# KiCad board Eclipse60.kicad_pcb (continued)
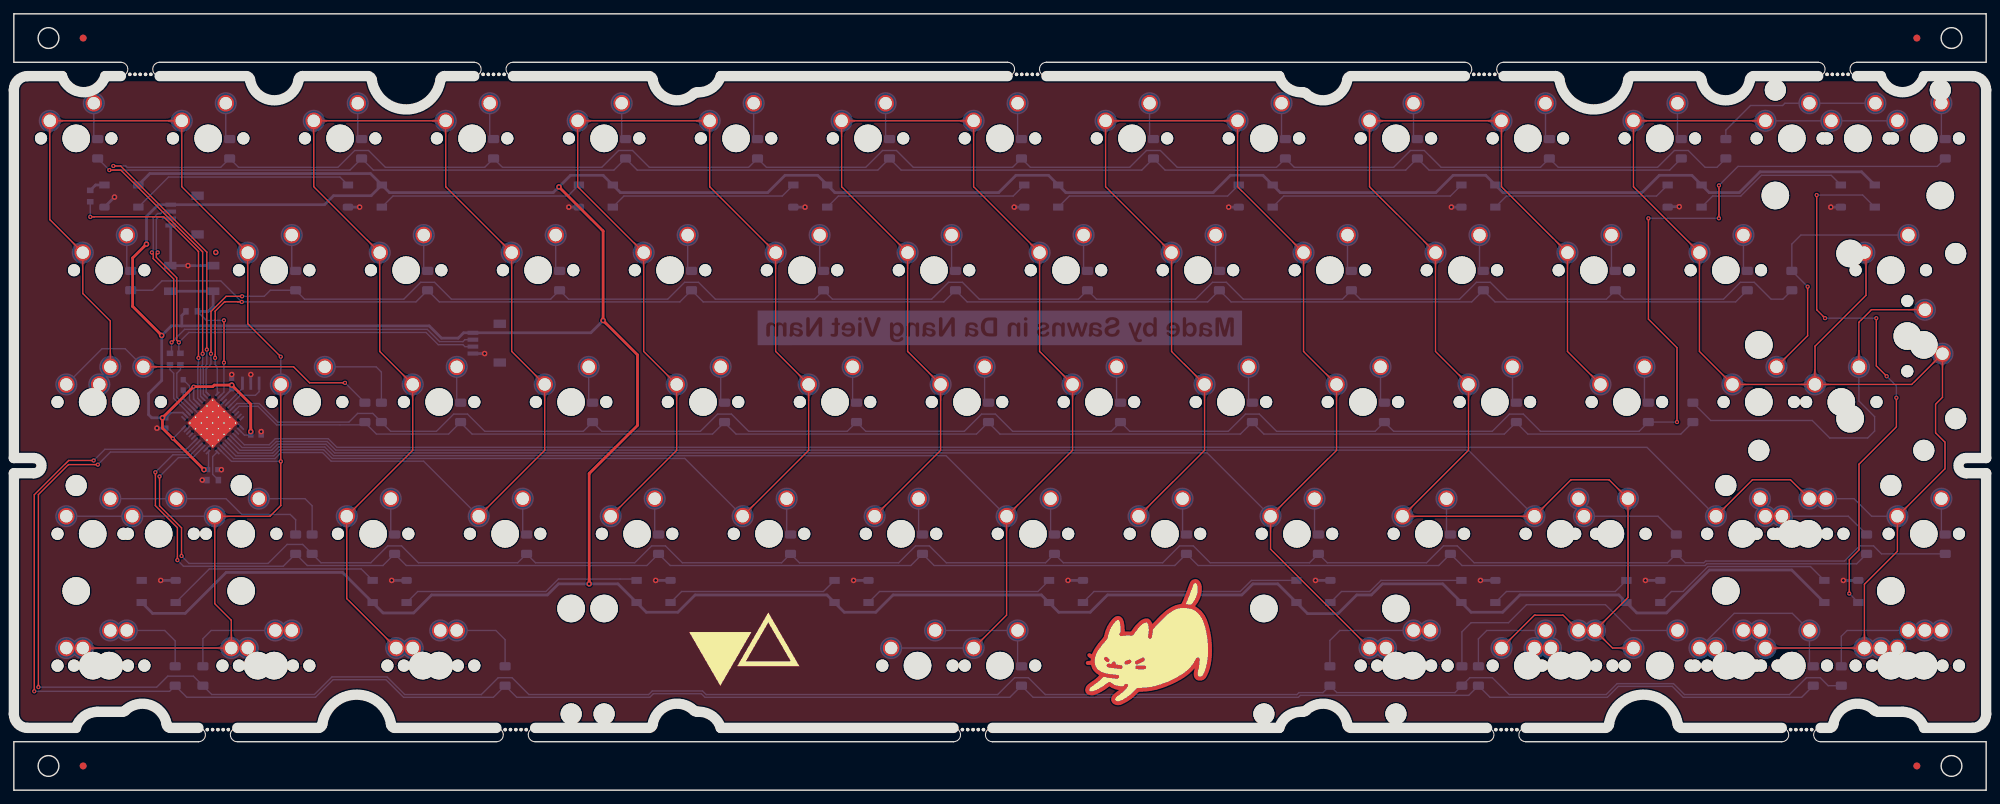
[diagram p0: board, top side]
## Nets
+5V: C2.2 C3.2 C4.2 C5.2 J1.1 J2.1 R4.1 RGB1.1 RGB2.1 RGB3.1 RGB4.1 RGB5.1 RGB6.1 RGB7.1 RGB8.1 RGB9.1 RGB10.1 RGB11.1 RGB12.1 RGB13.1 RGB14.1 RGB15.1 RGB16.1 RGB17.1 RGB18.1 U1.2 U1.7 U1.14 U1.24 U1.34 U1.44
GND: C1.2 C2.1 C3.1 C4.1 C5.1 J1.4 J2.4 R1.1 RGB1.3 RGB2.3 RGB3.3 RGB4.3 RGB5.3 RGB6.3 RGB7.3 RGB8.3 RGB9.3 RGB10.3 RGB11.3 RGB12.3 RGB13.3 RGB14.3 RGB15.3 RGB16.3 RGB17.3 RGB18.3 SW1.1 U1.5 U1.15 U1.23 U1.35 U1.43 U1.45 Y1.2
/M+: R2.1 U1.4
/M-: R3.2 U1.3
C0: MX1.1 MX2.1 MX17.1 MX18.1 MX31.1 MX33.1 MX34.1 MX49.1 MX50.1 MX65.2 MX66.1 MX67.1 MX80.1 MX82.1 U1.32
C1: MX3.1 MX4.1 MX19.1 MX20.1 MX35.1 MX36.1 MX51.1 MX52.1 MX68.1 MX81.1 U1.31
C2: MX5.1 MX6.1 MX21.1 MX22.1 MX37.1 MX38.1 MX53.1 MX54.1 U1.30
C3: MX7.1 MX8.1 MX23.1 MX24.1 MX39.1 MX40.1 MX55.1 MX56.1 MX70.1 MX79.1 U1.29
C4: MX9.1 MX10.1 MX16.1 MX25.1 MX26.1 MX41.1 MX42.1 MX57.1 MX58.1 MX64.1 U1.28
C5: MX11.1 MX12.1 MX27.1 MX28.1 MX32.1 MX43.1 MX44.1 MX47.2 MX48.1 MX59.1 MX60.1 MX61.2 MX69.2 U1.27
C6: MX13.1 MX14.1 MX15.1 MX29.1 MX30.1 MX45.1 MX46.1 MX62.1 MX63.1 MX71.2 MX72.1 MX73.1 MX74.1 MX75.2 MX76.2 MX77.2 MX78.1 MX83.1 MX84.2 U1.26
D+: J1.3 J2.3 R2.2
D-: J1.2 J2.2 R3.1
R0: D1.1 D3.1 D5.1 D7.1 D9.1 D11.1 D13.1 U1.9
R1: D2.1 D4.1 D6.1 D8.1 D10.1 D12.1 D14.1 U1.10
R2: D17.1 D19.1 D21.1 D23.1 D25.1 D27.1 D29.1 U1.12
R3: D18.1 D20.1 D22.1 D24.1 D26.1 D28.1 D30.1 U1.11
R4: D33.1 D35.1 D37.1 D39.1 D41.1 D43.1 D45.1 U1.19
R5: D15.1 D34.1 D36.1 D38.1 D40.1 D42.1 D44.1 U1.18
R6: D49.1 D51.1 D53.1 D55.1 D57.1 D59.1 D62.1 U1.37
R7: D50.1 D52.1 D54.1 D56.1 D58.1 D60.1 D63.1 U1.36
R8: D65.1 D67.1 D68.1 D69.1 D71.1 U1.39
R9: D16.1 D66.1 D70.1 D72.1 U1.38
RGB: R5.2 RGB1.4
Net-(C1-Pad1): C1.1 U1.6
Net-(D1-Pad2): D1.2 MX1.2
Net-(D2-Pad2): D2.2 MX2.2
Net-(D3-Pad2): D3.2 MX3.2
Net-(D4-Pad2): D4.2 MX4.2
Net-(D5-Pad2): D5.2 MX5.2
Net-(D6-Pad2): D6.2 MX6.2
Net-(D7-Pad2): D7.2 MX7.2
Net-(D8-Pad2): D8.2 MX8.2
Net-(D9-Pad2): D9.2 MX9.2
Net-(D10-Pad2): D10.2 MX10.2
Net-(D11-Pad2): D11.2 MX11.2
Net-(D12-Pad2): D12.2 MX12.2
Net-(D13-Pad2): D13.2 MX13.2
Net-(D14-Pad2): D14.2 MX14.2 MX46.2
Net-(D15-Pad2): D15.2 MX15.2
Net-(D16-Pad2): D16.2 MX16.2 MX64.2
Net-(D17-Pad2): D17.2 MX17.2
Net-(D18-Pad2): D18.2 MX18.2
Net-(D19-Pad2): D19.2 MX19.2
Net-(D20-Pad2): D20.2 MX20.2
Net-(D21-Pad2): D21.2 MX21.2
Net-(D22-Pad2): D22.2 MX22.2
Net-(D23-Pad2): D23.2 MX23.2
Net-(D24-Pad2): D24.2 MX24.2
Net-(D25-Pad2): D25.2 MX25.2
Net-(D26-Pad2): D26.2 MX26.2
Net-(D27-Pad2): D27.2 MX27.2
Net-(D28-Pad2): D28.2 MX28.2
Net-(D29-Pad2): D29.2 MX29.2
Net-(D30-Pad2): D30.2 MX30.2 MX83.2
Net-(D33-Pad2): D33.2 MX33.2 MX65.1
Net-(D34-Pad2): D34.2 MX34.2
Net-(D35-Pad2): D35.2 MX35.2
Net-(D36-Pad2): D36.2 MX36.2
Net-(D37-Pad2): D37.2 MX37.2
Net-(D38-Pad2): D38.2 MX38.2
Net-(D39-Pad2): D39.2 MX39.2
Net-(D40-Pad2): D40.2 MX40.2
Net-(D41-Pad2): D41.2 MX41.2
Net-(D42-Pad2): D42.2 MX42.2
Net-(D43-Pad2): D43.2 MX43.2
Net-(D44-Pad2): D44.2 MX44.2
Net-(D45-Pad2): D45.2 MX45.2 MX84.1
Net-(D49-Pad2): D49.2 MX31.2 MX49.2
Net-(D50-Pad2): D50.2 MX50.2
Net-(D51-Pad2): D51.2 MX51.2
Net-(D52-Pad2): D52.2 MX52.2
Net-(D53-Pad2): D53.2 MX53.2
Net-(D54-Pad2): D54.2 MX54.2
Net-(D55-Pad2): D55.2 MX55.2
Net-(D56-Pad2): D56.2 MX56.2
Net-(D57-Pad2): D57.2 MX57.2
Net-(D58-Pad2): D58.2 MX58.2
Net-(D59-Pad2): D59.2 MX59.2
Net-(D60-Pad2): D60.2 MX47.1 MX60.2
Net-(D62-Pad2): D62.2 MX62.2 MX75.1 MX76.1
Net-(D63-Pad2): D63.2 MX63.2
Net-(D65-Pad2): D65.2 MX66.2 MX80.2
Net-(D66-Pad2): D66.2 MX67.2 MX82.2
Net-(D67-Pad2): D67.2 MX68.2 MX81.2
Net-(D68-Pad2): D68.2 MX32.2 MX61.1 MX69.1
Net-(D69-Pad2): D69.2 MX70.2 MX79.2
Net-(D70-Pad2): D70.2 MX48.2
Net-(D71-Pad2): D71.2 MX71.1 MX72.2 MX77.1
Net-(D72-Pad2): D72.2 MX73.2 MX74.2 MX78.2
Net-(R1-Pad2): R1.2 U1.33
Net-(R4-Pad2): R4.2 SW1.2 U1.13
Net-(R5-Pad1): R5.1 U1.8
Net-(RGB1-Pad2): RGB1.2 RGB2.4
Net-(RGB2-Pad2): RGB2.2 RGB3.4
Net-(RGB3-Pad2): RGB3.2 RGB4.4
Net-(RGB4-Pad2): RGB4.2 RGB5.4
Net-(RGB5-Pad2): RGB5.2 RGB6.4
Net-(RGB6-Pad2): RGB6.2 RGB7.4
Net-(RGB7-Pad2): RGB7.2 RGB8.4
Net-(RGB8-Pad2): RGB8.2 RGB9.4
Net-(RGB10-Pad2): RGB10.2
Net-(RGB10-Pad4): RGB10.4 RGB11.2
Net-(RGB11-Pad4): RGB11.4 RGB12.2
Net-(RGB12-Pad4): RGB12.4 RGB13.2
Net-(RGB13-Pad4): RGB13.4 RGB14.2
Net-(RGB14-Pad4): RGB14.4 RGB15.2
Net-(RGB15-Pad4): RGB15.4 RGB16.2
Net-(RGB16-Pad4): RGB16.4 RGB17.2
Net-(RGB17-Pad4): RGB17.4 RGB18.2
Net-(RGB18-Pad4): RGB9.2 RGB18.4
Net-(U1-Pad1): U1.1
Net-(U1-Pad16): U1.16 Y1.3
Net-(U1-Pad17): U1.17 Y1.1
Net-(U1-Pad20): U1.20
Net-(U1-Pad21): U1.21
Net-(U1-Pad22): U1.22
Net-(U1-Pad25): U1.25
Net-(U1-Pad40): U1.40
Net-(U1-Pad41): U1.41
Net-(U1-Pad42): U1.42

## Via types
v1: diameter 0.8, hole 0.4, Top to Bottom, 36 vias
v2: diameter 0.6, hole 0.3, Top to Bottom, 40 vias

## Routing (per net, layer and track width the routed paths; a pad name or vN(x,y) marks a point on that pad's centre or on a via; arc(x,y) is an arc through that point)
+5V: length 787
  Top w0.4: v1(83.05,29.82) 83.05,45.75 90.03,52.72 90.03,62.91 v1(85.06,67.87) 85.06,80.81 v1(78.68,87.19) ; v1(19.14,78.92) 17.14,76.92 17.14,69.92 v1(21.34,65.72) ; v1(34.2,51.82) 34.2,55.79 v1(31.45,58.54) 28.92,58.54 28.7,58.32 v2(25.95,58.32) v1(21.45,53.82) 21.45,52.32 v2(22.95,50.82) v1(27.45,46.32)
  Bottom w0.2: U1.24 33.28,51.32 C3.2 ; 24.57,52.48 24.57,52.44 v2(22.95,50.82) ; 28.11,48.94 28.11,46.23
  Bottom w0.25: C5.2 v1(31.45,58.54) ; 24.93,54.01 24.37,54.57 22.7,54.57 C2.2 ; 26.69,55.78 25.95,56.53 v2(25.95,58.32) ; U1.14 31.45,57.94
  Bottom w0.4: RGB1.1 19.62,89.12 51.47,89.12 RGB2.1 ; R4.1 24.24,68.6 24.24,67.1 ; 24.24,67.1 59.96,67.1 61.73,65.33 64.14,65.33 64.92,66.1 J1.1 83.29,66.1 v1(85.06,67.87) ; 24.24,67.1 22.73,67.1 v1(21.34,65.72) 21.34,59.21 19.45,57.32 19.45,54.27 19.9,53.82 v1(21.45,53.82) C2.2 ; RGB2.1 51.57,85.92 46.14,85.92 44.84,84.62 J2.1 20.84,84.62 19.14,82.92 v1(19.14,78.92) ; RGB2.1 54.22,86.37 77.86,86.37 v1(78.68,87.19) 80.36,88.87 85.06,88.87 RGB3.1 87.56,86.37 108.82,86.37 111.32,88.87 116.02,88.87 RGB4.1 118.52,86.37 142.16,86.37 144.66,88.87 149.35,88.87 RGB5.1 151.85,86.37 173.11,86.37 175.61,88.87 180.31,88.87 RGB6.1 182.81,86.37 205.26,86.37 207.76,88.87 212.46,88.87 RGB7.1 214.96,86.37 235.03,86.37 237.53,88.87 242.22,88.87 RGB8.1 244.72,86.37 249.07,86.37 252.07,89.37 266.72,89.37 RGB9.1 ; v1(34.2,51.82) C3.2 ; RGB18.1 256.64,31.82 244.75,31.82 238.55,25.62 234.27,25.62 RGB17.1 231.67,28.22 217.41,28.22 214.91,25.72 210.36,25.72 RGB16.1 206.26,29.82 197.55,29.82 195.95,28.22 193.84,28.22 191.14,25.52 186.74,25.52 RGB15.1 182.44,29.82 178.85,29.82 177.25,28.22 157.87,28.22 155.38,25.72 150.83,25.72 RGB14.1 148.33,28.22 126.92,28.22 124.42,25.72 119.87,25.72 RGB13.1 117.37,28.22 98.34,28.22 95.84,25.72 91.29,25.72 RGB12.1 87.19,29.82 v1(83.05,29.82) 78.61,29.82 77.01,28.22 60.31,28.22 57.71,25.62 53.29,25.62 RGB11.1 47.44,31.47 30.64,31.47 24.73,25.55 20.02,25.55 RGB10.1 ; C4.2 v1(27.45,46.32)
GND: length 76.3
  Bottom w0.2: U1.45 28.7,54.48 U1.15 ; U1.45 25.87,53.07 U1.43 ; U1.45 27.99,53.07 U1.5 ; U1.45 28.7,50.24 U1.35 ; U1.45 32.24,53.07 U1.23
  Bottom w0.25: 25.99,55.08 24.45,56.61 C1.2
  Bottom w0.3: C5.1 v1(31.45,60.07) ; Y1.2 v1(34.2,60.07)
  Bottom w0.4: RGB9.3 v1(262.28,84.27) ; RGB7.3 v1(207.51,84.27) ; RGB6.3 v1(175.36,84.27) ; RGB5.3 v1(144.4,84.27) ; RGB3.3 v1(80.11,84.27) ; SW1.1 v1(25.14,75.81) SW1.1 ; RGB2.3 v1(49.91,84.27) ; RGB18.3 v1(264.09,30.32) ; RGB17.3 v1(235.52,30.32) ; RGB16.3 v1(211.7,30.32) ; RGB15.3 v1(187.89,30.32) ; RGB14.3 v1(152.17,30.32) ; RGB13.3 v1(121.22,30.32) ; RGB12.3 v1(92.64,30.32) ; RGB10.3 v1(21.2,30.32) ; 238.71,84.33 v1(240.4,84.33) ; J1.4 v1(67.96,63.1) ; C4.1 v1(29.95,46.32) ; 27.88,44.82 v1(27.2,44.82) ; C3.1 v1(35.7,51.82) ; RGB1.3 v1(14.53,85.72) ; RGB4.3 v1(114.21,84.27) ; J2.4 22.64,75.62 ; C2.1 v1(20.65,52.32) ; RGB11.3 v1(54.54,30.32)
(no net):
  vias: v1(29.14,77.72)
/M+: length 7.8
  Bottom w0.2: 25.6,54.72 25.63,54.72 ; U1.4 25.53,54.79 23.52,56.8 23.52,60.25 24.04,60.78 R2.1
/M-: length 8.2
  Bottom w0.2: U1.3 25.21,54.47 23.07,56.61 23.07,60.25 22.54,60.78 R3.2 ; 25.28,54.4 25.28,54.37
C0: length 202.3
  Top w0.2: v2(38.53,62.65) 33.77,67.41 MX18.1 24.24,87.21 MX2.1 MX1.1 5.19,82.45 MX17.1 9.95,71.77 13.92,67.8 MX65.2 ; MX34.1 v2(38.53,47.52) 38.53,41.15 36.97,39.59 MX50.1 29,26.95 31.38,24.57 MX67.1 MX80.1
  Bottom w0.2: MX50.1 MX31.1 MX49.1 ; U1.32 31.42,47.52 v2(38.53,47.52) ; MX34.1 v2(38.53,62.65)
C1: length 217
  Top w0.2: MX68.1 48.05,27.68 MX51.1 57.58,49.11 MX35.1 52.82,63.4 52.82,77.69 43.29,87.21 MX3.1 MX4.1 62.34,87.21 MX20.1 71.87,63.4 MX36.1 76.63,49.11 MX52.1
  Bottom w0.2: MX52.1 59.15,47.54 45.81,47.54 44.56,48.79 38.57,48.79 37.69,47.92 31.73,47.92 U1.31
C2: length 232.9
  Top w0.2: MX54.1 114.73,49.11 MX38.1 109.97,63.4 MX22.1 100.44,87.21 MX6.1 MX5.1 81.39,87.21 MX21.1 90.92,63.4 MX37.1 95.68,49.11 MX53.1
  Bottom w0.2: MX54.1 96.85,47.94 45.97,47.94 44.72,49.19 38.4,49.19 37.53,48.32 32.04,48.32 U1.30
C3: length 303.7
  Top w0.2: MX55.1 133.78,49.11 MX39.1 129.02,63.4 MX23.1 119.49,87.21 MX7.1 MX8.1 138.54,87.21 MX24.1 148.07,63.4 MX40.1 152.83,49.11 MX56.1 143.3,25.3 MX79.1
  Bottom w0.2: MX70.1 MX79.1 ; MX56.1 134.55,48.34 46.14,48.34 44.89,49.59 38.24,49.59 37.36,48.72 32.34,48.72 U1.29
C4: length 333.6
  Top w0.2: MX16.1 181.4,34.83 MX58.1 190.93,49.11 MX42.1 186.17,63.4 MX26.1 176.64,87.21 MX10.1 MX9.1 157.59,87.21 MX25.1 167.12,63.4 MX41.1 171.88,49.11 MX57.1
  Bottom w0.2: U1.28 32.65,49.12 37.2,49.12 38.07,49.99 45.06,49.99 46.31,48.74 172.25,48.74 MX58.1
C5: length 401
  Top w0.2: MX61.2 223.63,25.3 219.5,25.3 MX32.1 ; MX44.1 224.27,63.4 MX28.1 214.74,87.21 MX12.1 MX11.1 195.69,87.21 MX27.1 205.22,63.4 MX43.1 209.98,49.11 MX59.1 MX60.1 224.76,44.85 230.28,44.85 MX47.2 233,27.84 MX69.2 230.77,20.54 MX48.1
  Bottom w0.2: U1.27 32.96,49.52 37.03,49.52 37.91,50.39 45.22,50.39 46.47,49.14 209.95,49.14 MX60.1
C6: length 446.6
  Top w0.2: MX45.1 MX83.1 243.32,63.4 MX29.1 233.79,87.21 MX13.1 MX14.1 ; MX45.1 259.98,64.16 267.36,71.53 267.36,77.69 ; MX45.1 273.95,58.64 MX84.2 278.4,56.77 277.4,55.77 277.4,51.65 278.75,50.3 278.75,46.45 MX63.1 271.89,34.51 267.13,29.75 MX78.1 MX72.1 ; MX62.1 250.96,44.85 256.47,44.85 MX75.2
  Bottom w0.2: U1.26 33.26,49.92 36.87,49.92 37.74,50.79 45.39,50.79 46.64,49.54 235.74,49.54 MX62.1 ; MX14.1 MX46.1 MX15.1 ; MX63.1 268.17,39.59 265.63,42.13 MX76.2
D+: length 67.2
  Top w0.2: v2(23.82,64.72) 23.52,65.02 23.52,74.06 20.57,77.01 20.57,77.52 v2(20.77,77.72)
  Bottom w0.2: J2.3 21.48,82.62 21.2,82.89 20.94,82.89 20.57,82.52 20.57,77.92 v2(20.77,77.72) ; J1.3 65.11,64.1 64.83,64.38 61.26,64.38 59.49,66.15 25.25,66.15 v2(23.82,64.72) 23.82,63.37 R2.2
D-: length 69.2
  Top w0.2: v2(22.77,64.72) 23.07,65.02 23.07,73.87 20.12,76.82 20.12,77.52 v2(19.92,77.72)
  Bottom w0.2: J1.2 65.11,65.1 64.83,64.83 61.45,64.83 59.68,66.6 24.65,66.6 v2(22.77,64.72) 22.77,63.37 R3.1 ; v2(19.92,77.72) 20.12,77.92 20.12,82.71 20.75,83.34 21.2,83.34 21.48,83.62 J2.2
R0: length 276.9
  Top w0.2: v2(27.25,63.07) 27.25,77.81 15.44,89.62 v2(13.78,89.62)
  Bottom w0.2: D13.1 239.01,89.62 204.28,89.62 D11.1 200.91,89.62 166.18,89.62 D9.1 162.81,89.62 128.08,89.62 D7.1 124.71,89.62 89.98,89.62 D5.1 86.61,89.62 51.88,89.62 D3.1 48.51,89.62 v2(13.78,89.62) D1.1 ; v2(27.25,63.07) 27.25,61.5 26.95,61.2 26.95,56.94 U1.9
R1: length 291.7
  Top w0.2: v2(27.85,63.67) 27.85,77.78 15.41,90.22 v2(14.35,90.22)
  Bottom w0.2: D14.1 245.84,90.02 244.13,90.02 241.7,92.45 239.7,92.45 237.26,90.02 222.93,90.02 D12.1 220.36,90.02 206.03,90.02 203.6,92.45 201.6,92.45 199.16,90.02 184.83,90.02 D10.1 182.26,90.02 167.93,90.02 165.5,92.45 163.5,92.45 161.06,90.02 146.73,90.02 D8.1 144.16,90.02 129.83,90.02 127.4,92.45 125.4,92.45 122.96,90.02 108.63,90.02 D6.1 106.06,90.02 91.73,90.02 89.3,92.45 87.3,92.45 84.86,90.02 70.53,90.02 D4.1 67.96,90.02 53.63,90.02 51.2,92.45 49.2,92.45 46.76,90.02 32.43,90.02 D2.1 29.86,90.02 16.36,90.02 16.16,90.22 v2(14.35,90.22) ; U1.10 27.35,57.25 27.35,61.03 27.85,61.53 v2(27.85,63.67)
R2: length 259.4
  Top w0.2: v2(29.05,62.47) 29.05,69.22 30.4,70.57 v2(32.91,70.57)
  Bottom w0.2: D29.1 248.54,70.57 213.81,70.57 D27.1 210.44,70.57 175.71,70.57 D25.1 172.34,70.57 137.61,70.57 D23.1 134.24,70.57 99.51,70.57 D21.1 96.14,70.57 61.41,70.57 D19.1 58.04,70.57 v2(32.91,70.57) 29.88,73.6 21.38,73.6 20.03,72.25 D17.1 ; U1.12 29.36,61.21 29.05,61.52 v2(29.05,62.47)
R3: length 260.3
  Top w0.2: v2(28.45,63.07) 28.45,69.18 30.64,71.38 v2(32.95,71.38)
  Bottom w0.2: v2(32.95,71.38) 36.15,71.38 37.03,72.25 D18.1 41.96,70.97 56.29,70.97 58.72,73.4 60.72,73.4 63.16,70.97 77.49,70.97 D20.1 80.06,70.97 94.39,70.97 96.82,73.4 98.82,73.4 101.26,70.97 115.59,70.97 D22.1 118.16,70.97 132.49,70.97 134.92,73.4 136.92,73.4 139.36,70.97 153.69,70.97 D24.1 156.26,70.97 170.59,70.97 173.02,73.4 175.02,73.4 177.46,70.97 191.79,70.97 D26.1 194.36,70.97 208.69,70.97 211.12,73.4 213.12,73.4 215.56,70.97 229.89,70.97 D28.1 232.46,70.97 246.79,70.97 249.22,73.4 251.22,73.4 253.66,70.97 255.37,70.97 D30.1 ; v2(28.45,63.07) 28.45,61.57 27.75,60.87 27.75,57.55 U1.11
R4: length 220.5
  Bottom w0.2: 216.86,53.15 218.54,51.47 240.63,51.47 D45.1 ; 64.46,53.15 66.14,51.47 100.85,51.47 D37.1 ; 50.65,53.15 52.33,51.47 62.75,51.47 D35.1 ; 102.56,53.15 104.24,51.47 138.95,51.47 D39.1 ; 140.66,53.15 142.34,51.47 177.05,51.47 D41.1 ; 178.76,53.15 180.44,51.47 215.15,51.47 D43.1 ; U1.19 32.53,55.48 35.24,55.48 37.93,52.79 50.58,52.79
R5: length 307.2
  Top w0.2: v2(246.13,87.4) v2(246.13,82.65) ; v2(240.08,53.2) 240.08,63.95 235.95,68.07 v2(235.95,82.65)
  Bottom w0.2: U1.18 32.22,55.88 35.41,55.88 38.1,53.19 48.37,53.19 49.63,54.45 51.8,54.45 D34.1 54.39,51.87 61,51.87 63.49,54.35 65.49,54.35 67.97,51.87 82.2,51.87 D36.1 84.87,51.87 99.1,51.87 101.59,54.35 103.59,54.35 106.07,51.87 120.3,51.87 D38.1 122.97,51.87 137.2,51.87 139.69,54.35 141.69,54.35 144.17,51.87 158.4,51.87 D40.1 161.07,51.87 175.3,51.87 177.79,54.35 179.79,54.35 182.27,51.87 196.5,51.87 D42.1 199.17,51.87 213.4,51.87 215.89,54.35 217.89,54.35 220.37,51.87 234.6,51.87 D44.1 v2(240.08,53.2) ; v2(246.13,87.4) 248.88,90.15 277.65,90.15 D15.1 ; v2(246.13,82.65) v2(235.95,82.65)
R6: length 275.5
  Top w0.2: v2(20.43,45.94) 20.43,41.12 23.61,37.94 v2(23.61,33.24)
  Bottom w0.2: v2(20.43,45.94) 22.96,48.47 25.51,48.47 U1.37 ; D62.1 266.01,32.72 244.38,32.72 244.13,32.47 209.05,32.47 D59.1 205.68,32.47 170.95,32.47 D57.1 167.58,32.47 132.85,32.47 D55.1 129.48,32.47 94.75,32.47 D53.1 91.38,32.47 56.65,32.47 D51.1 53.28,32.47 42.36,32.47 D49.1 38.89,32.37 24.48,32.37 v2(23.61,33.24)
R7: length 295
  Top w0.2: v2(24.21,33.84) 24.21,37.91 21.03,41.09 v2(21.03,45.34)
  Bottom w0.2: U1.36 25.82,48.07 23.76,48.07 v2(21.03,45.34) ; D63.1 269.6,34.15 268.45,35.3 266.45,35.3 264.26,33.12 244.21,33.12 243.96,32.87 241.27,32.87 D60.1 238.7,32.87 210.8,32.87 208.36,35.3 206.36,35.3 203.93,32.87 189.6,32.87 D58.1 187.03,32.87 172.7,32.87 170.26,35.3 168.26,35.3 165.83,32.87 151.5,32.87 D56.1 148.93,32.87 134.6,32.87 132.16,35.3 130.16,35.3 127.73,32.87 113.4,32.87 D54.1 110.83,32.87 96.5,32.87 94.06,35.3 92.06,35.3 89.63,32.87 75.3,32.87 D52.1 72.73,32.87 58.4,32.87 55.96,35.3 53.96,35.3 51.53,32.87 44.34,32.87 D50.1 41.69,35.52 39.44,35.52 36.69,32.77 25.28,32.77 v2(24.21,33.84)
R8: length 321.6
  Top w0.2: v2(2.94,14.29) 2.94,42.68 7.91,47.65 v2(11.53,47.65)
  Bottom w0.2: v2(11.53,47.65) 13.14,49.27 24.9,49.27 U1.39 ; D71.1 258.06,13.42 240.98,13.42 239.4,15 231.6,15 230.02,13.42 213.09,13.42 D68.1 210.01,13.7 185.7,13.7 185.42,13.42 147.13,13.42 D69.1 143.76,13.42 99.76,13.42 99.24,13.94 92.31,13.94 91.79,13.42 72.6,13.42 D67.1 69.23,13.42 56.26,13.42 53.7,15.97 46.08,15.97 43.54,13.43 24.96,13.43 D65.1 22.47,14.29 v2(2.94,14.29)
R9: length 328.3
  Top w0.2: v2(3.54,14.89) 3.54,42.72 7.88,47.05 v2(12.13,47.05)
  Bottom w0.2: U1.38 25.21,48.87 13.94,48.87 v2(12.13,47.05) ; D72.1 261.9,15.1 260.75,16.25 258.75,16.25 256.31,13.82 241.15,13.82 239.57,15.4 231.43,15.4 229.85,13.82 215.85,13.82 213.42,16.25 210.17,16.25 D70.1 208.02,14.1 190.98,14.1 D16.1 188.98,14.1 185.5,14.1 185.22,13.82 148.88,13.82 146.45,16.25 144.45,16.25 142.01,13.82 99.93,13.82 99.41,14.34 92.15,14.34 91.63,13.82 74.35,13.82 71.91,16.25 69.91,16.25 67.48,13.82 56.42,13.82 53.87,16.37 45.92,16.37 43.38,13.83 28.56,13.83 D66.1 25.91,16.48 22.21,16.48 20.62,14.89 v2(3.54,14.89)
RGB: length 2.4
  Bottom w0.4: R5.2 11.8,87.47 RGB1.4
Net-(C1-Pad1): length 4.7
  Bottom w0.2: 26.34,55.43 25.35,56.42 25.35,58.42 C1.1
Net-(D1-Pad2): length 5.3
  Bottom w0.2: MX1.2 11.54,94.02
Net-(D2-Pad2): length 5.3
  Bottom w0.2: MX2.2 30.59,94.02
Net-(D3-Pad2): length 5.3
  Bottom w0.2: MX3.2 49.64,94.02
Net-(D4-Pad2): length 5.3
  Bottom w0.2: MX4.2 68.69,94.02
Net-(D5-Pad2): length 5.3
  Bottom w0.2: MX5.2 87.74,94.02
Net-(D6-Pad2): length 5.3
  Bottom w0.2: MX6.2 106.79,94.02
Net-(D7-Pad2): length 5.3
  Bottom w0.2: MX7.2 125.84,94.02
Net-(D8-Pad2): length 5.3
  Bottom w0.2: MX8.2 144.89,94.02
Net-(D9-Pad2): length 5.3
  Bottom w0.2: MX9.2 163.94,94.02
Net-(D10-Pad2): length 5.3
  Bottom w0.2: MX10.2 182.99,94.02
Net-(D11-Pad2): length 5.3
  Bottom w0.2: MX11.2 202.04,94.02
Net-(D12-Pad2): length 5.3
  Bottom w0.2: MX12.2 221.09,94.02
Net-(D13-Pad2): length 5.3
  Bottom w0.2: MX13.2 240.14,94.02
Net-(D14-Pad2): length 24.5
  Bottom w0.2: MX46.2 MX14.2 255.65,99.28 255.32,98.95 250.69,98.95 247.13,95.39 D14.2
Net-(D15-Pad2): length 5.3
  Bottom w0.2: MX15.2 278.24,94.02
Net-(D16-Pad2): length 16.4
  Bottom w0.2: MX16.2 191.41,23.08 189.98,21.65 D16.2
Net-(D17-Pad2): length 5.3
  Bottom w0.2: MX17.2 16.3,74.96
Net-(D18-Pad2): length 5
  Bottom w0.2: MX18.2 40.12,75.24
Net-(D19-Pad2): length 5
  Bottom w0.2: MX19.2 59.17,75.24
Net-(D20-Pad2): length 5
  Bottom w0.2: MX20.2 78.22,75.24
Net-(D21-Pad2): length 5
  Bottom w0.2: 97.27,80.23 97.27,75.24
Net-(D22-Pad2): length 5
  Bottom w0.2: MX22.2 116.32,75.24
Net-(D23-Pad2): length 5
  Bottom w0.2: MX23.2 135.37,75.24
Net-(D24-Pad2): length 5
  Bottom w0.2: MX24.2 154.42,75.24
Net-(D25-Pad2): length 5
  Bottom w0.2: MX25.2 173.47,75.24
Net-(D26-Pad2): length 5
  Bottom w0.2: 192.52,80.23 192.52,75.24
Net-(D27-Pad2): length 5
  Bottom w0.2: MX27.2 211.57,75.24
Net-(D28-Pad2): length 5
  Bottom w0.2: 230.62,80.23 230.62,75.24
Net-(D29-Pad2): length 5
  Bottom w0.2: 249.67,80.23 249.67,75.24
Net-(D30-Pad2): length 37.9
  Top w0.2: v2(258.93,72.77) 258.93,65.68 MX83.2
  Bottom w0.2: v2(258.93,72.77) D30.2 256.65,78.92 257.96,80.23 MX30.2
Net-(D33-Pad2): length 48.5
  Top w0.2: MX33.2 40.39,61.18 42.7,58.87 v2(47.8,58.87)
  Bottom w0.2: D33.2 v2(47.8,58.87) ; MX33.2 16.06,63.8 12.73,63.8 MX65.1
Net-(D34-Pad2): length 12.9
  Bottom w0.2: D34.2 53.05,60.42 52.3,61.18 MX34.2
Net-(D35-Pad2): length 5.1
  Bottom w0.2: MX35.2 63.93,56.03
Net-(D36-Pad2): length 5.1
  Bottom w0.2: MX36.2 82.98,56.03
Net-(D37-Pad2): length 5.1
  Bottom w0.2: MX37.2 102.03,56.03
Net-(D38-Pad2): length 5.1
  Bottom w0.2: MX38.2 121.08,56.03
Net-(D39-Pad2): length 5.1
  Bottom w0.2: MX39.2 140.13,56.03
Net-(D40-Pad2): length 5.1
  Bottom w0.2: MX40.2 159.18,56.03
Net-(D41-Pad2): length 5.1
  Bottom w0.2: MX41.2 178.23,56.03
Net-(D42-Pad2): length 5.1
  Bottom w0.2: MX42.2 197.28,56.03
Net-(D43-Pad2): length 5.1
  Bottom w0.2: MX43.2 216.33,56.03
Net-(D44-Pad2): length 5.1
  Bottom w0.2: MX44.2 235.38,56.03
Net-(D45-Pad2): length 55.7
  Top w0.2: MX45.2 266.33,67.63 268.14,69.43 MX84.1
  Bottom w0.2: D45.2 244.94,53.42 259.6,53.42 262.13,50.9 267.6,50.9 268.6,51.9 268.6,53.97 266.33,56.24 MX45.2
Net-(D49-Pad2): length 30.1
  Bottom w0.2: MX49.2 MX31.2 30.62,42.13 32.9,39.85 39.9,39.85 40.67,39.08 D49.2
Net-(D50-Pad2): length 12.3
  Bottom w0.2: MX50.2 42.02,42.13 43.06,41.09 D50.2
Net-(D51-Pad2): length 5.1
  Bottom w0.2: MX51.2 54.4,37.06
Net-(D52-Pad2): length 5.1
  Bottom w0.2: MX52.2 73.45,37.06
Net-(D53-Pad2): length 5.1
  Bottom w0.2: MX53.2 92.5,37.06
Net-(D54-Pad2): length 5.1
  Bottom w0.2: MX54.2 111.55,37.06
Net-(D55-Pad2): length 5.1
  Bottom w0.2: MX55.2 130.6,37.06
Net-(D56-Pad2): length 5.1
  Bottom w0.2: MX56.2 149.65,37.06
Net-(D57-Pad2): length 5.1
  Bottom w0.2: MX57.2 168.7,37.06
Net-(D58-Pad2): length 5.1
  Bottom w0.2: MX58.2 187.75,37.06
Net-(D59-Pad2): length 5.1
  Bottom w0.2: MX59.2 206.8,37.06
Net-(D60-Pad2): length 14.4
  Bottom w0.2: D60.2 237.34,39.59 MX47.1
Net-(D62-Pad2): length 13.3
  Bottom w0.2: D62.2 264.81,39.59 MX76.1
Net-(D63-Pad2): length 5.2
  Bottom w0.2: MX63.2 278.24,36.92
Net-(D65-Pad2): length 11.3
  Bottom w0.2: D65.2 23.29,21.57 21.78,23.08 MX80.2
Net-(D66-Pad2): length 14.9
  Bottom w0.2: MX67.2 28.48,23.08 27.29,21.89 D66.2
Net-(D67-Pad2): length 11.4
  Bottom w0.2: MX81.2 69.58,23.08 70.91,21.75 D67.2
Net-(D68-Pad2): length 14.2
  Bottom w0.2: MX32.2 212.62,23.08 211.41,21.87 D68.2
Net-(D69-Pad2): length 17.2
  Bottom w0.2: 144.89,17.77 MX79.2 MX70.2
Net-(D70-Pad2): length 39.3
  Bottom w0.2: D70.2 209.02,22.87 210.35,24.2 215.75,24.2 218.35,26.8 229.75,26.8 233.47,23.08 MX48.2
Net-(D71-Pad2): length 24.2
  Bottom w0.2: MX77.1 248.33,25.55 256.72,25.55 MX72.2 259.19,17.84
Net-(D72-Pad2): length 14.4
  Bottom w0.2: D72.2 263.79,22.24 264.63,23.08 MX78.2
Net-(R1-Pad2): length 4.7
  Bottom w0.2: R1.2 28.7,45.64 28.7,48.21 U1.33
Net-(R4-Pad2): length 26.6
  Top w0.2: v2(30.33,61.78) v2(30.33,67.9)
  Bottom w0.2: U1.13 30.33,57.52 v2(30.33,61.78) ; R4.2 27.79,67.9 v2(30.33,67.9)
  Bottom w0.4: R4.2 28.05,69.2 28.77,69.92 SW1.2 SW1.2
Net-(R5-Pad1): length 41.7
  Top w0.2: v2(26.65,62.47) 26.65,77.84 21.64,82.85 v2(11.03,82.85)
  Bottom w0.2: U1.8 26.55,56.63 26.55,61.37 26.65,61.47 v2(26.65,62.47) ; R5.1 v2(11.03,82.85)
Net-(RGB1-Pad2): length 32.5
  Bottom w0.2: RGB2.4 47.07,88.62 22.32,88.62 RGB1.2
Net-(RGB2-Pad2): length 29.8
  Bottom w0.2: RGB3.4 79.96,85.87 54.72,85.87 RGB2.2
Net-(RGB3-Pad2): length 27.4
  Bottom w0.2: RGB3.2 88.06,85.87 110.92,85.87 RGB4.4
Net-(RGB4-Pad2): length 29.8
  Bottom w0.2: RGB5.4 144.25,85.87 119.02,85.87 RGB4.2
Net-(RGB5-Pad2): length 27.4
  Bottom w0.2: RGB6.4 175.21,85.87 152.35,85.87 RGB5.2
Net-(RGB6-Pad2): length 28.6
  Bottom w0.2: RGB6.2 183.31,85.87 207.36,85.87 RGB7.4
Net-(RGB7-Pad2): length 26.2
  Bottom w0.2: RGB8.4 237.12,85.87 215.46,85.87 RGB7.2
Net-(RGB8-Pad2): length 22.6
  Bottom w0.2: RGB9.4 262.33,88.87 252.28,88.87 249.28,85.87 245.22,85.87 RGB8.2
Net-(RGB10-Pad4): length 31.1
  Bottom w0.2: RGB10.4 28.21,31.97 50.14,31.97 RGB11.2
Net-(RGB11-Pad4): length 34.1
  Bottom w0.2: RGB11.4 58.29,28.72 76.81,28.72 78.61,30.52 89.35,30.52
Net-(RGB12-Pad4): length 25
  Bottom w0.2: RGB13.2 116.87,28.72 96.39,28.72 RGB12.4
Net-(RGB13-Pad4): length 27.4
  Bottom w0.2: RGB14.2 147.83,28.72 124.97,28.72 RGB13.4
Net-(RGB14-Pad4): length 32.1
  Bottom w0.2: RGB15.2 178.64,30.32 177.04,28.72 155.93,28.72 RGB14.4
Net-(RGB15-Pad4): length 20.2
  Bottom w0.2: RGB16.2 197.34,30.32 195.74,28.72 191.64,28.72 RGB15.4
Net-(RGB16-Pad4): length 20.2
  Bottom w0.2: RGB17.2 231.17,28.72 215.46,28.72 RGB16.4
Net-(RGB17-Pad4): length 26.7
  Bottom w0.2: RGB17.4 239.27,28.72 240.94,28.72 244.54,32.32 259.34,32.32 RGB18.2
Net-(RGB18-Pad4): length 80.5
  Top w0.2: v2(271.74,56.72) 271.74,52.52 266.34,47.12 266.34,34.72 264.94,33.32 v2(264.94,28.42) ; v2(270.34,59.82) 268.84,61.32 v2(268.84,68.22) ; v2(260.24,86.02) 260.24,69.42 v2(261.44,68.22)
  Bottom w0.2: v2(260.24,86.02) 266.88,86.02 RGB9.2 ; v2(270.34,59.82) 271.74,58.42 v2(271.74,56.72) ; RGB18.4 v2(264.94,28.42) ; v2(261.44,68.22) v2(268.84,68.22)
Net-(U1-Pad16): length 3.9
  Bottom w0.2: U1.16 33,58.08 Y1.3
Net-(U1-Pad17): length 6.4
  Bottom w0.2: Y1.1 35.4,57.59 34.88,57.07 32.7,57.07 U1.17

## Copper pours and planes (outline as drawn; the poured copper is in the pictures)
+5V on Bottom: 119.31,26.56 118.94,27.28 118.29,27.29 118.3,26.64 119.03,26.27
+5V on Bottom: 52.28,88.02 52.65,87.3 53.3,87.29 53.29,87.94 52.56,88.31
+5V on Bottom: 18.53,88.31 17.81,87.94 17.8,87.29 18.45,87.3 18.82,88.02
+5V on Bottom: 52.56,86.62 53.29,86.99 53.3,87.64 52.65,87.63 52.28,86.91
+5V on Bottom: 260.5,27.67 260.87,26.95 261.52,26.94 261.51,27.59 260.79,27.96
+5V on Bottom: 233.61,26.56 233.24,27.28 232.59,27.29 232.6,26.64 233.33,26.27
+5V on Bottom: 231.93,27.67 232.3,26.95 232.95,26.94 232.93,27.59 232.21,27.96
+5V on Bottom: 185.99,26.56 185.62,27.28 184.97,27.29 184.98,26.64 185.7,26.27
+5V on Bottom: 208.11,27.67 208.48,26.95 209.13,26.94 209.12,27.59 208.4,27.96
+5V on Bottom: 150.27,26.56 149.9,27.28 149.25,27.29 149.26,26.64 149.98,26.27
+5V on Bottom: 184.3,27.67 184.67,26.95 185.32,26.94 185.31,27.59 184.59,27.96
+5V on Bottom: 148.58,27.67 148.95,26.95 149.6,26.94 149.59,27.59 148.87,27.96
+5V on Bottom: 117.63,27.67 118,26.95 118.65,26.94 118.63,27.59 117.91,27.96
+5V on Bottom: 90.74,26.56 90.37,27.28 89.72,27.29 89.73,26.64 90.45,26.27
+5V on Bottom: 19.3,26.56 18.93,27.28 18.28,27.29 18.29,26.64 19.01,26.27
+5V on Bottom: 50.95,27.67 51.32,26.95 51.97,26.94 51.96,27.59 51.24,27.96
+5V on Bottom: 89.05,27.67 89.42,26.95 90.07,26.94 90.06,27.59 89.34,27.96
+5V on Bottom: 52.64,26.56 52.27,27.28 51.62,27.29 51.63,26.64 52.35,26.27
+5V on Bottom: 85.62,88.02 85.99,87.3 86.64,87.29 86.62,87.94 85.9,88.31
+5V on Bottom: 53.96,86.91 53.59,87.63 52.95,87.64 52.96,86.99 53.68,86.62
+5V on Bottom: 267.78,88.02 268.15,87.3 268.8,87.29 268.79,87.94 268.07,88.31
+5V on Bottom: 87.3,86.91 86.93,87.63 86.28,87.64 86.3,86.99 87.02,86.62
+5V on Bottom: 118.26,86.91 117.89,87.63 117.24,87.64 117.25,86.99 117.97,86.62
+5V on Bottom: 151.59,86.91 151.23,87.63 150.58,87.64 150.59,86.99 151.31,86.62
+5V on Bottom: 182.55,86.91 182.18,87.63 181.53,87.64 181.55,86.99 182.27,86.62
+5V on Bottom: 214.7,86.91 214.33,87.63 213.68,87.64 213.69,86.99 214.41,86.62
+5V on Bottom: 244.46,86.91 244.09,87.63 243.45,87.64 243.46,86.99 244.18,86.62
+5V on Bottom: 116.57,88.02 116.94,87.3 117.59,87.29 117.58,87.94 116.86,88.31
+5V on Bottom: 149.91,88.02 150.28,87.3 150.93,87.29 150.92,87.94 150.19,88.31
+5V on Bottom: 180.87,88.02 181.24,87.3 181.89,87.29 181.87,87.94 181.15,88.31
+5V on Bottom: 213.01,88.02 213.38,87.3 214.03,87.29 214.02,87.94 213.3,88.31
+5V on Bottom: 242.78,88.02 243.15,87.3 243.8,87.29 243.79,87.94 243.06,88.31
+5V on Bottom: 209.8,26.56 209.43,27.28 208.78,27.29 208.79,26.64 209.51,26.27
GND on Top: 283.96,9.74 0.75,9.74 0.75,102.45 283.96,102.45
GND on Bottom: 13.63,85.11 12.91,84.74 12.9,84.09 13.55,84.1 13.92,84.82
GND on Bottom: 22.44,76.71 22.13,76.14 22.52,75.54 23.1,75.95 22.84,76.71
GND on Bottom: 55.7,30.12 56.48,29.87 56.94,30.32 56.48,30.77 55.7,30.52
GND on Bottom: 113.51,84.47 112.73,84.72 112.27,84.27 112.73,83.82 113.51,84.07
GND on Bottom: 27.68,75.61 28.53,75.31 29.04,75.81 28.53,76.3 27.68,76.01
GND on Bottom: 23.66,76.01 22.81,76.3 22.29,75.81 22.81,75.31 23.66,75.61
GND on Bottom: 27.75,49.15 27.85,49.25 27.95,49.35 28.05,49.44 28.14,49.52 28.23,49.61 28.32,49.68 28.41,49.76 28.49,49.83 28.58,49.9 28.66,49.96 28.74,50.03 28.82,50.09 28.9,50.14 30.04,50.87 28.7,54.36 27.36,50.87 27.4,50.85 27.43,50.82 27.47,50.79 27.5,50.76 27.54,50.72 27.57,50.68 27.61,50.64 27.64,50.59 27.67,50.54 27.7,50.49 27.73,50.44 27.76,50.39 27.78,50.33 27.81,50.27 27.83,50.22 27.84,50.16 27.86,50.09 27.87,50.03 27.87,49.97 27.87,49.91 27.87,49.84 27.86,49.78 27.85,49.72 27.84,49.65 27.81,49.59 27.79,49.53 27.75,49.47 27.71,49.41 27.67,49.35 27.61,49.29
GND on Bottom: 30.35,56.28 30.29,56.22 30.22,56.16 30.16,56.1 30.09,56.05 30.03,56.01 29.96,55.97 29.9,55.93 29.83,55.89 29.77,55.86 29.7,55.83 29.64,55.8 29.58,55.78 29.51,55.76 29.45,55.74 29.39,55.72 29.33,55.71 28.66,55.64 28.21,51.88 30.53,54.88 30.28,55.4 30.28,55.45 30.27,55.5 30.27,55.55 30.27,55.6 30.27,55.65 30.28,55.7 30.28,55.75 30.3,55.8 30.31,55.85 30.33,55.9 30.36,55.95 30.38,56 30.42,56.04 30.45,56.09 30.49,56.14
GND on Bottom: 32.97,52.48 32.88,52.56 32.8,52.64 32.72,52.71 32.63,52.79 32.55,52.86 32.46,52.92 32.38,52.99 32.3,53.05 32.22,53.1 31.36,53.69 31.32,53.72 31.27,53.76 31.24,53.8 31.2,53.83 31.17,53.87 31.15,53.9 31.13,53.94 31.11,53.98 27.41,53.07 31.11,52.16 31.12,52.19 31.14,52.22 31.17,52.25 31.19,52.28 31.23,52.31 31.27,52.34 31.31,52.37 31.36,52.4 31.41,52.43 31.46,52.46 31.52,52.49 31.58,52.51 31.64,52.54 31.71,52.56 31.78,52.58 31.85,52.59 31.92,52.6 31.99,52.61 32.06,52.62 32.13,52.62 32.21,52.62 32.28,52.61 32.35,52.6 32.42,52.58 32.5,52.55 32.57,52.52 32.63,52.49 32.7,52.44 32.77,52.39 32.83,52.34
GND on Bottom: 25.85,55.08 25.89,55.02 25.94,54.97 25.98,54.92 26.02,54.87 26.05,54.81 26.08,54.76 26.11,54.7 26.13,54.65 26.16,54.59 26.17,54.54 26.19,54.48 26.2,54.43 26.22,54.38 26.2,53.68 29.77,52.35 27.18,55.15 26.59,54.98 26.55,54.98 26.5,54.98 26.45,54.99 26.4,54.99 26.35,55.01 26.31,55.02 26.26,55.04 26.21,55.06 26.16,55.08 26.12,55.11 26.07,55.14 26.03,55.18 25.99,55.22
GND on Bottom: 24.93,51.98 24.98,52.03 25.04,52.08 25.1,52.12 25.16,52.15 25.22,52.18 25.29,52.2 25.35,52.22 25.41,52.23 25.48,52.24 25.54,52.24 25.6,52.24 25.66,52.23 25.73,52.23 25.79,52.21 25.85,52.2 25.91,52.18 25.96,52.15 26.02,52.13 26.07,52.1 26.12,52.07 26.18,52.04 26.22,52.01 26.27,51.98 26.31,51.94 26.35,51.91 26.39,51.87 26.42,51.84 26.45,51.8 26.48,51.77 26.5,51.73 29.99,53.07 26.5,54.41 25.77,53.26 25.72,53.19 25.66,53.11 25.6,53.03 25.53,52.95 25.46,52.86 25.39,52.78 25.31,52.69 25.24,52.6 25.15,52.51 25.07,52.42 24.98,52.32 24.88,52.22 24.78,52.12
GND on Bottom: 80.57,84.07 81.34,83.82 81.81,84.27 81.34,84.72 80.57,84.47
GND on Bottom: 144.86,84.07 145.64,83.82 146.1,84.27 145.64,84.72 144.86,84.47
